# EAGLE board working (EAGLE 9.6.2), part 12 of 28 (continued)
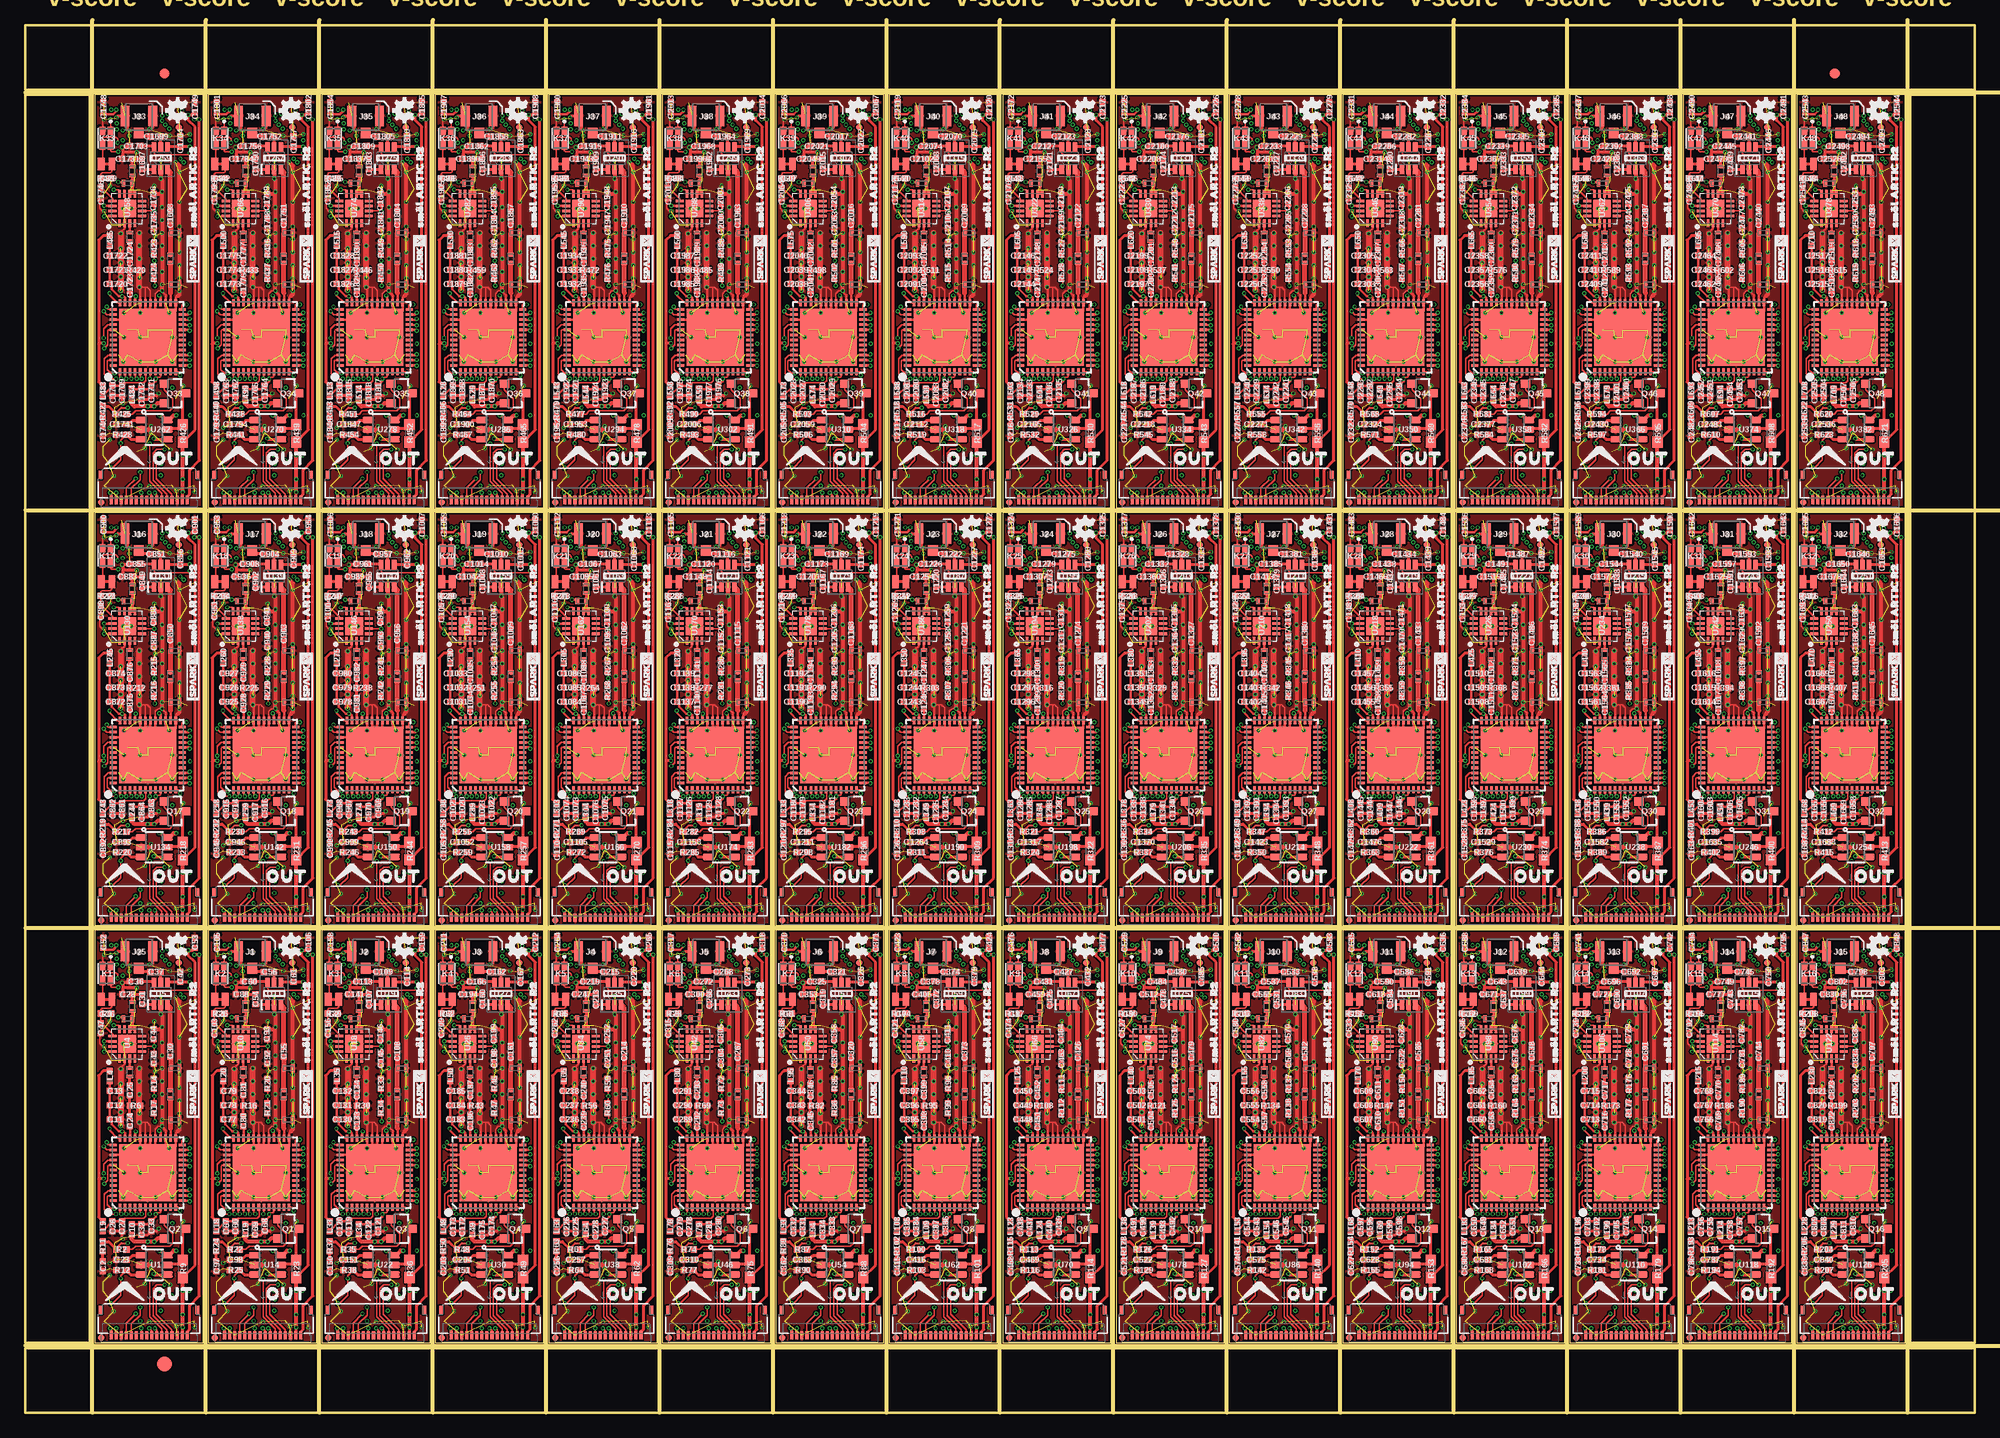
[diagram p0: board, top side]
## Tracks (layer width: path | path; a pad name or v marks a point on that pad's centre or on a via) (continued)
  Route15 0.152: v136.64,12.58 135.88,12.58 135.61,12.31 134.44,12.31 134.15,12.6 134.15,18.33 133.9,18.58 v133.9,19.56 133.9,19.61 134.65,20.36 134.65,41.6 135.55,42.5 135.55,45.32 136.13,45.91 136.72,45.91 v136.97,45.66
  Bottom 0.152: IN11.5 136.97,46.66 v136.97,45.66
COPI12  (via drill 0.2)
  Top 0.152: U97.4 144.95,20.2 144.95,19.68 v145.07,19.56 | OUT12.5 148.05,8.16 146.69,9.52 146.69,12.21 147.06,12.58 v147.82,12.58
  Route15 0.152: v147.82,12.58 147.06,12.58 146.78,12.31 145.62,12.31 145.32,12.6 145.32,18.33 145.07,18.58 v145.07,19.56 145.07,19.61 145.82,20.36 145.82,41.6 146.72,42.5 146.72,45.32 147.31,45.91 147.9,45.91 v148.15,45.66
  Bottom 0.152: IN12.5 148.15,46.66 v148.15,45.66
COPI13  (via drill 0.2)
  Top 0.152: U105.4 156.13,20.2 156.13,19.68 v156.25,19.56 | OUT13.5 159.23,8.16 157.86,9.52 157.86,12.21 158.23,12.58 v159,12.58
  Route15 0.152: v159,12.58 158.23,12.58 157.96,12.31 156.79,12.31 156.5,12.6 156.5,18.33 156.25,18.58 v156.25,19.56 156.25,19.61 157,20.36 157,41.6 157.9,42.5 157.9,45.32 158.49,45.91 159.07,45.91 v159.33,45.66
  Bottom 0.152: IN13.5 159.33,46.66 v159.33,45.66
COPI14  (via drill 0.2)
  Top 0.152: U113.4 167.3,20.2 167.3,19.68 v167.42,19.56 | OUT14.5 170.41,8.16 169.04,9.52 169.04,12.21 169.41,12.58 v170.17,12.58
  Route15 0.152: v170.17,12.58 169.41,12.58 169.14,12.31 167.97,12.31 167.68,12.6 167.68,18.33 167.42,18.58 v167.42,19.56 167.42,19.61 168.18,20.36 168.18,41.6 169.07,42.5 169.07,45.32 169.66,45.91 170.25,45.91 v170.5,45.66
  Bottom 0.152: IN14.5 170.5,46.66 v170.5,45.66
COPI15  (via drill 0.2)
  Top 0.152: U121.4 178.48,20.2 178.48,19.68 v178.6,19.56 | OUT15.5 181.58,8.16 180.21,9.52 180.21,12.21 180.59,12.58 v181.35,12.58
  Route15 0.152: v181.35,12.58 180.59,12.58 180.31,12.31 179.15,12.31 178.85,12.6 178.85,18.33 178.6,18.58 v178.6,19.56 178.6,19.61 179.35,20.36 179.35,41.6 180.25,42.5 180.25,45.32 180.84,45.91 181.42,45.91 v181.68,45.66
  Bottom 0.152: IN15.5 181.68,46.66 v181.68,45.66
COPI16  (via drill 0.2)
  Top 0.152: U129.4 10.84,61.34 10.84,60.83 v10.96,60.71 | OUT16.5 13.94,49.3 12.57,50.67 12.57,53.36 12.95,53.73 v13.71,53.73
  Route15 0.152: v13.71,53.73 12.95,53.73 12.67,53.46 11.5,53.46 11.21,53.75 11.21,59.48 10.96,59.73 v10.96,60.71 10.96,60.76 11.71,61.51 11.71,82.75 12.61,83.65 12.61,86.47 13.2,87.06 13.78,87.06 v14.04,86.81
  Bottom 0.152: IN16.5 14.04,87.81 v14.04,86.81
COPI17  (via drill 0.2)
  Top 0.152: U137.4 22.02,61.34 22.02,60.83 v22.14,60.71 | OUT17.5 25.12,49.3 23.75,50.67 23.75,53.36 24.12,53.73 v24.88,53.73
  Route15 0.152: v24.88,53.73 24.12,53.73 23.85,53.46 22.68,53.46 22.39,53.75 22.39,59.48 22.14,59.73 v22.14,60.71 22.14,60.76 22.89,61.51 22.89,82.75 23.79,83.65 23.79,86.47 24.37,87.06 24.96,87.06 v25.21,86.81
  Bottom 0.152: IN17.5 25.21,87.81 v25.21,86.81
COPI18  (via drill 0.2)
  Top 0.152: U145.4 33.19,61.34 33.19,60.83 v33.31,60.71 | OUT18.5 36.29,49.3 34.92,50.67 34.92,53.36 35.3,53.73 v36.06,53.73
  Route15 0.152: v36.06,53.73 35.3,53.73 35.02,53.46 33.86,53.46 33.56,53.75 33.56,59.48 33.31,59.73 v33.31,60.71 33.31,60.76 34.06,61.51 34.06,82.75 34.96,83.65 34.96,86.47 35.55,87.06 36.13,87.06 v36.39,86.81
  Bottom 0.152: IN18.5 36.39,87.81 v36.39,86.81
COPI19  (via drill 0.2)
  Top 0.152: U153.4 44.37,61.34 44.37,60.83 v44.49,60.71 | OUT19.5 47.47,49.3 46.1,50.67 46.1,53.36 46.47,53.73 v47.24,53.73
  Route15 0.152: v47.24,53.73 46.47,53.73 46.2,53.46 45.03,53.46 44.74,53.75 44.74,59.48 44.49,59.73 v44.49,60.71 44.49,60.76 45.24,61.51 45.24,82.75 46.14,83.65 46.14,86.47 46.72,87.06 47.31,87.06 v47.56,86.81
  Bottom 0.152: IN19.5 47.56,87.81 v47.56,86.81
COPI20  (via drill 0.2)
  Top 0.152: U161.4 55.54,61.34 55.54,60.83 v55.66,60.71 | OUT20.5 58.65,49.3 57.28,50.67 57.28,53.36 57.65,53.73 v58.41,53.73
  Route15 0.152: v58.41,53.73 57.65,53.73 57.38,53.46 56.21,53.46 55.92,53.75 55.92,59.48 55.66,59.73 v55.66,60.71 55.66,60.76 56.41,61.51 56.41,82.75 57.31,83.65 57.31,86.47 57.9,87.06 58.49,87.06 v58.74,86.81
  Bottom 0.152: IN20.5 58.74,87.81 v58.74,86.81
COPI21  (via drill 0.2)
  Top 0.152: U169.4 66.72,61.34 66.72,60.83 v66.84,60.71 | OUT21.5 69.82,49.3 68.45,50.67 68.45,53.36 68.83,53.73 v69.59,53.73
  Route15 0.152: v69.59,53.73 68.83,53.73 68.55,53.46 67.39,53.46 67.09,53.75 67.09,59.48 66.84,59.73 v66.84,60.71 66.84,60.76 67.59,61.51 67.59,82.75 68.49,83.65 68.49,86.47 69.08,87.06 69.66,87.06 v69.92,86.81
  Bottom 0.152: IN21.5 69.92,87.81 v69.92,86.81
COPI22  (via drill 0.2)
  Top 0.152: U177.4 77.9,61.34 77.9,60.83 v78.02,60.71 | OUT22.5 81,49.3 79.63,50.67 79.63,53.36 80,53.73 v80.76,53.73
  Route15 0.152: v80.76,53.73 80,53.73 79.73,53.46 78.56,53.46 78.27,53.75 78.27,59.48 78.02,59.73 v78.02,60.71 78.02,60.76 78.77,61.51 78.77,82.75 79.67,83.65 79.67,86.47 80.25,87.06 80.84,87.06 v81.09,86.81
  Bottom 0.152: IN22.5 81.09,87.81 v81.09,86.81
COPI23  (via drill 0.2)
  Top 0.152: U185.4 89.07,61.34 89.07,60.83 v89.19,60.71 | OUT23.5 92.17,49.3 90.81,50.67 90.81,53.36 91.18,53.73 v91.94,53.73
  Route15 0.152: v91.94,53.73 91.18,53.73 90.9,53.46 89.74,53.46 89.45,53.75 89.45,59.48 89.19,59.73 v89.19,60.71 89.19,60.76 89.94,61.51 89.94,82.75 90.84,83.65 90.84,86.47 91.43,87.06 92.02,87.06 v92.27,86.81
  Bottom 0.152: IN23.5 92.27,87.81 v92.27,86.81
COPI24  (via drill 0.2)
  Top 0.152: U193.4 100.25,61.34 100.25,60.83 v100.37,60.71 | OUT24.5 103.35,49.3 101.98,50.67 101.98,53.36 102.35,53.73 v103.12,53.73
  Route15 0.152: v103.12,53.73 102.35,53.73 102.08,53.46 100.91,53.46 100.62,53.75 100.62,59.48 100.37,59.73 v100.37,60.71 100.37,60.76 101.12,61.51 101.12,82.75 102.02,83.65 102.02,86.47 102.61,87.06 103.19,87.06 v103.45,86.81
  Bottom 0.152: IN24.5 103.45,87.81 v103.45,86.81
COPI25  (via drill 0.2)
  Top 0.152: U201.4 111.42,61.34 111.42,60.83 v111.54,60.71 | OUT25.5 114.53,49.3 113.16,50.67 113.16,53.36 113.53,53.73 v114.29,53.73
  Route15 0.152: v114.29,53.73 113.53,53.73 113.26,53.46 112.09,53.46 111.8,53.75 111.8,59.48 111.54,59.73 v111.54,60.71 111.54,60.76 112.3,61.51 112.3,82.75 113.19,83.65 113.19,86.47 113.78,87.06 114.37,87.06 v114.62,86.81
  Bottom 0.152: IN25.5 114.62,87.81 v114.62,86.81
COPI26  (via drill 0.2)
  Top 0.152: U209.4 122.6,61.34 122.6,60.83 v122.72,60.71 | OUT26.5 125.7,49.3 124.33,50.67 124.33,53.36 124.71,53.73 v125.47,53.73
  Route15 0.152: v125.47,53.73 124.71,53.73 124.43,53.46 123.27,53.46 122.97,53.75 122.97,59.48 122.72,59.73 v122.72,60.71 122.72,60.76 123.47,61.51 123.47,82.75 124.37,83.65 124.37,86.47 124.96,87.06 125.54,87.06 v125.8,86.81
  Bottom 0.152: IN26.5 125.8,87.81 v125.8,86.81
COPI27  (via drill 0.2)
  Top 0.152: U217.4 133.78,61.34 133.78,60.83 v133.9,60.71 | OUT27.5 136.88,49.3 135.51,50.67 135.51,53.36 135.88,53.73 v136.64,53.73
  Route15 0.152: v136.64,53.73 135.88,53.73 135.61,53.46 134.44,53.46 134.15,53.75 134.15,59.48 133.9,59.73 v133.9,60.71 133.9,60.76 134.65,61.51 134.65,82.75 135.55,83.65 135.55,86.47 136.13,87.06 136.72,87.06 v136.97,86.81
  Bottom 0.152: IN27.5 136.97,87.81 v136.97,86.81
COPI28  (via drill 0.2)
  Top 0.152: U225.4 144.95,61.34 144.95,60.83 v145.07,60.71 | OUT28.5 148.05,49.3 146.69,50.67 146.69,53.36 147.06,53.73 v147.82,53.73
  Route15 0.152: v147.82,53.73 147.06,53.73 146.78,53.46 145.62,53.46 145.32,53.75 145.32,59.48 145.07,59.73 v145.07,60.71 145.07,60.76 145.82,61.51 145.82,82.75 146.72,83.65 146.72,86.47 147.31,87.06 147.9,87.06 v148.15,86.81
  Bottom 0.152: IN28.5 148.15,87.81 v148.15,86.81
COPI29  (via drill 0.2)
  Top 0.152: U233.4 156.13,61.34 156.13,60.83 v156.25,60.71 | OUT29.5 159.23,49.3 157.86,50.67 157.86,53.36 158.23,53.73 v159,53.73
  Route15 0.152: v159,53.73 158.23,53.73 157.96,53.46 156.79,53.46 156.5,53.75 156.5,59.48 156.25,59.73 v156.25,60.71 156.25,60.76 157,61.51 157,82.75 157.9,83.65 157.9,86.47 158.49,87.06 159.07,87.06 v159.33,86.81
  Bottom 0.152: IN29.5 159.33,87.81 v159.33,86.81
COPI30  (via drill 0.2)
  Top 0.152: U241.4 167.3,61.34 167.3,60.83 v167.42,60.71 | OUT30.5 170.41,49.3 169.04,50.67 169.04,53.36 169.41,53.73 v170.17,53.73
  Route15 0.152: v170.17,53.73 169.41,53.73 169.14,53.46 167.97,53.46 167.68,53.75 167.68,59.48 167.42,59.73 v167.42,60.71 167.42,60.76 168.18,61.51 168.18,82.75 169.07,83.65 169.07,86.47 169.66,87.06 170.25,87.06 v170.5,86.81
  Bottom 0.152: IN30.5 170.5,87.81 v170.5,86.81
COPI31  (via drill 0.2)
  Top 0.152: U249.4 178.48,61.34 178.48,60.83 v178.6,60.71 | OUT31.5 181.58,49.3 180.21,50.67 180.21,53.36 180.59,53.73 v181.35,53.73
  Route15 0.152: v181.35,53.73 180.59,53.73 180.31,53.46 179.15,53.46 178.85,53.75 178.85,59.48 178.6,59.73 v178.6,60.71 178.6,60.76 179.35,61.51 179.35,82.75 180.25,83.65 180.25,86.47 180.84,87.06 181.42,87.06 v181.68,86.81
  Bottom 0.152: IN31.5 181.68,87.81 v181.68,86.81
COPI32  (via drill 0.2)
  Top 0.152: U257.4 10.84,102.49 10.84,101.97 v10.96,101.85 | OUT32.5 13.94,90.45 12.57,91.82 12.57,94.51 12.95,94.88 v13.71,94.88
  Route15 0.152: v13.71,94.88 12.95,94.88 12.67,94.6 11.5,94.6 11.21,94.9 11.21,100.62 10.96,100.88 v10.96,101.85 10.96,101.91 11.71,102.66 11.71,123.9 12.61,124.8 12.61,127.62 13.2,128.21 13.78,128.21 v14.04,127.95
  Bottom 0.152: IN32.5 14.04,128.95 v14.04,127.95
COPI33  (via drill 0.2)
  Top 0.152: U265.4 22.02,102.49 22.02,101.97 v22.14,101.85 | OUT33.5 25.12,90.45 23.75,91.82 23.75,94.51 24.12,94.88 v24.88,94.88
  Route15 0.152: v24.88,94.88 24.12,94.88 23.85,94.6 22.68,94.6 22.39,94.9 22.39,100.62 22.14,100.88 v22.14,101.85 22.14,101.91 22.89,102.66 22.89,123.9 23.79,124.8 23.79,127.62 24.37,128.21 24.96,128.21 v25.21,127.95
  Bottom 0.152: IN33.5 25.21,128.95 v25.21,127.95
COPI34  (via drill 0.2)
  Top 0.152: U273.4 33.19,102.49 33.19,101.97 v33.31,101.85 | OUT34.5 36.29,90.45 34.92,91.82 34.92,94.51 35.3,94.88 v36.06,94.88
  Route15 0.152: v36.06,94.88 35.3,94.88 35.02,94.6 33.86,94.6 33.56,94.9 33.56,100.62 33.31,100.88 v33.31,101.85 33.31,101.91 34.06,102.66 34.06,123.9 34.96,124.8 34.96,127.62 35.55,128.21 36.13,128.21 v36.39,127.95
  Bottom 0.152: IN34.5 36.39,128.95 v36.39,127.95
COPI35  (via drill 0.2)
  Top 0.152: U281.4 44.37,102.49 44.37,101.97 v44.49,101.85 | OUT35.5 47.47,90.45 46.1,91.82 46.1,94.51 46.47,94.88 v47.24,94.88
  Route15 0.152: v47.24,94.88 46.47,94.88 46.2,94.6 45.03,94.6 44.74,94.9 44.74,100.62 44.49,100.88 v44.49,101.85 44.49,101.91 45.24,102.66 45.24,123.9 46.14,124.8 46.14,127.62 46.72,128.21 47.31,128.21 v47.56,127.95
  Bottom 0.152: IN35.5 47.56,128.95 v47.56,127.95
COPI36  (via drill 0.2)
  Top 0.152: U289.4 55.54,102.49 55.54,101.97 v55.66,101.85 | OUT36.5 58.65,90.45 57.28,91.82 57.28,94.51 57.65,94.88 v58.41,94.88
  Route15 0.152: v58.41,94.88 57.65,94.88 57.38,94.6 56.21,94.6 55.92,94.9 55.92,100.62 55.66,100.88 v55.66,101.85 55.66,101.91 56.41,102.66 56.41,123.9 57.31,124.8 57.31,127.62 57.9,128.21 58.49,128.21 v58.74,127.95
  Bottom 0.152: IN36.5 58.74,128.95 v58.74,127.95
COPI37  (via drill 0.2)
  Top 0.152: U297.4 66.72,102.49 66.72,101.97 v66.84,101.85 | OUT37.5 69.82,90.45 68.45,91.82 68.45,94.51 68.83,94.88 v69.59,94.88
  Route15 0.152: v69.59,94.88 68.83,94.88 68.55,94.6 67.39,94.6 67.09,94.9 67.09,100.62 66.84,100.88 v66.84,101.85 66.84,101.91 67.59,102.66 67.59,123.9 68.49,124.8 68.49,127.62 69.08,128.21 69.66,128.21 v69.92,127.95
  Bottom 0.152: IN37.5 69.92,128.95 v69.92,127.95
COPI38  (via drill 0.2)
  Top 0.152: U305.4 77.9,102.49 77.9,101.97 v78.02,101.85 | OUT38.5 81,90.45 79.63,91.82 79.63,94.51 80,94.88 v80.76,94.88
  Route15 0.152: v80.76,94.88 80,94.88 79.73,94.6 78.56,94.6 78.27,94.9 78.27,100.62 78.02,100.88 v78.02,101.85 78.02,101.91 78.77,102.66 78.77,123.9 79.67,124.8 79.67,127.62 80.25,128.21 80.84,128.21 v81.09,127.95
  Bottom 0.152: IN38.5 81.09,128.95 v81.09,127.95
COPI39  (via drill 0.2)
  Top 0.152: U313.4 89.07,102.49 89.07,101.97 v89.19,101.85 | OUT39.5 92.17,90.45 90.81,91.82 90.81,94.51 91.18,94.88 v91.94,94.88
  Route15 0.152: v91.94,94.88 91.18,94.88 90.9,94.6 89.74,94.6 89.45,94.9 89.45,100.62 89.19,100.88 v89.19,101.85 89.19,101.91 89.94,102.66 89.94,123.9 90.84,124.8 90.84,127.62 91.43,128.21 92.02,128.21 v92.27,127.95
  Bottom 0.152: IN39.5 92.27,128.95 v92.27,127.95
COPI40  (via drill 0.2)
  Top 0.152: U321.4 100.25,102.49 100.25,101.97 v100.37,101.85 | OUT40.5 103.35,90.45 101.98,91.82 101.98,94.51 102.35,94.88 v103.12,94.88
  Route15 0.152: v103.12,94.88 102.35,94.88 102.08,94.6 100.91,94.6 100.62,94.9 100.62,100.62 100.37,100.88 v100.37,101.85 100.37,101.91 101.12,102.66 101.12,123.9 102.02,124.8 102.02,127.62 102.61,128.21 103.19,128.21 v103.45,127.95
  Bottom 0.152: IN40.5 103.45,128.95 v103.45,127.95
COPI41  (via drill 0.2)
  Top 0.152: U329.4 111.42,102.49 111.42,101.97 v111.54,101.85 | OUT41.5 114.53,90.45 113.16,91.82 113.16,94.51 113.53,94.88 v114.29,94.88
  Route15 0.152: v114.29,94.88 113.53,94.88 113.26,94.6 112.09,94.6 111.8,94.9 111.8,100.62 111.54,100.88 v111.54,101.85 111.54,101.91 112.3,102.66 112.3,123.9 113.19,124.8 113.19,127.62 113.78,128.21 114.37,128.21 v114.62,127.95
  Bottom 0.152: IN41.5 114.62,128.95 v114.62,127.95
COPI42  (via drill 0.2)
  Top 0.152: U337.4 122.6,102.49 122.6,101.97 v122.72,101.85 | OUT42.5 125.7,90.45 124.33,91.82 124.33,94.51 124.71,94.88 v125.47,94.88
  Route15 0.152: v125.47,94.88 124.71,94.88 124.43,94.6 123.27,94.6 122.97,94.9 122.97,100.62 122.72,100.88 v122.72,101.85 122.72,101.91 123.47,102.66 123.47,123.9 124.37,124.8 124.37,127.62 124.96,128.21 125.54,128.21 v125.8,127.95
  Bottom 0.152: IN42.5 125.8,128.95 v125.8,127.95
COPI43  (via drill 0.2)
  Top 0.152: U345.4 133.78,102.49 133.78,101.97 v133.9,101.85 | OUT43.5 136.88,90.45 135.51,91.82 135.51,94.51 135.88,94.88 v136.64,94.88
  Route15 0.152: v136.64,94.88 135.88,94.88 135.61,94.6 134.44,94.6 134.15,94.9 134.15,100.62 133.9,100.88 v133.9,101.85 133.9,101.91 134.65,102.66 134.65,123.9 135.55,124.8 135.55,127.62 136.13,128.21 136.72,128.21 v136.97,127.95
  Bottom 0.152: IN43.5 136.97,128.95 v136.97,127.95
COPI44  (via drill 0.2)
  Top 0.152: U353.4 144.95,102.49 144.95,101.97 v145.07,101.85 | OUT44.5 148.05,90.45 146.69,91.82 146.69,94.51 147.06,94.88 v147.82,94.88
  Route15 0.152: v147.82,94.88 147.06,94.88 146.78,94.6 145.62,94.6 145.32,94.9 145.32,100.62 145.07,100.88 v145.07,101.85 145.07,101.91 145.82,102.66 145.82,123.9 146.72,124.8 146.72,127.62 147.31,128.21 147.9,128.21 v148.15,127.95
  Bottom 0.152: IN44.5 148.15,128.95 v148.15,127.95
COPI45  (via drill 0.2)
  Top 0.152: U361.4 156.13,102.49 156.13,101.97 v156.25,101.85 | OUT45.5 159.23,90.45 157.86,91.82 157.86,94.51 158.23,94.88 v159,94.88
  Route15 0.152: v159,94.88 158.23,94.88 157.96,94.6 156.79,94.6 156.5,94.9 156.5,100.62 156.25,100.88 v156.25,101.85 156.25,101.91 157,102.66 157,123.9 157.9,124.8 157.9,127.62 158.49,128.21 159.07,128.21 v159.33,127.95
  Bottom 0.152: IN45.5 159.33,128.95 v159.33,127.95
COPI46  (via drill 0.2)
  Top 0.152: U369.4 167.3,102.49 167.3,101.97 v167.42,101.85 | OUT46.5 170.41,90.45 169.04,91.82 169.04,94.51 169.41,94.88 v170.17,94.88
  Route15 0.152: v170.17,94.88 169.41,94.88 169.14,94.6 167.97,94.6 167.68,94.9 167.68,100.62 167.42,100.88 v167.42,101.85 167.42,101.91 168.18,102.66 168.18,123.9 169.07,124.8 169.07,127.62 169.66,128.21 170.25,128.21 v170.5,127.95
  Bottom 0.152: IN46.5 170.5,128.95 v170.5,127.95
COPI47  (via drill 0.2)
  Top 0.152: U377.4 178.48,102.49 178.48,101.97 v178.6,101.85 | OUT47.5 181.58,90.45 180.21,91.82 180.21,94.51 180.59,94.88 v181.35,94.88
  Route15 0.152: v181.35,94.88 180.59,94.88 180.31,94.6 179.15,94.6 178.85,94.9 178.85,100.62 178.6,100.88 v178.6,101.85 178.6,101.91 179.35,102.66 179.35,123.9 180.25,124.8 180.25,127.62 180.84,128.21 181.42,128.21 v181.68,127.95
  Bottom 0.152: IN47.5 181.68,128.95 v181.68,127.95
CS0  (via drill 0.2)
  Top 0.152: U3.2 9.81,19.69 v9.94,19.56
  Route15 0.127: 10.59,42.01 10.59,41.68 11.1,41.18 11.1,36.32 10.72,35.94 9.59,35.94 9.27,35.62 9.27,34.75 8.7,34.18 8.7,29.36 9.12,28.93 9.29,28.93 10.09,28.12 10.09,20.32 9.94,20.17 v9.94,19.56 | 10.59,42.01 11.1,42.51 11.1,44.67 12.9,46.47 14.54,46.47 14.87,46.14 14.87,45.81 14.02,44.96 v13.46,44.96 | v9.58,43.03 9.58,43.02 10.59,42.01
  Bottom 0.152: IN.7 12.94,45.43 13.41,44.96 v13.46,44.96 | v9.58,43.03 9.53,43.03 9.37,43.19 8.27,43.19 CS0.1
CS1  (via drill 0.2)
  Top 0.152: OUT.7 12.94,8.14 v12.76,8.32
  Route15 0.152: v13.79,44.57 14.36,44.57 15.75,43.18 15.75,41.69 16.33,41.1 16.33,26.75 15.68,26.1 15.68,24.18 16,23.87 16.65,23.87 16.89,23.62 16.89,11.68 13.53,8.32 v12.76,8.32
  Bottom 0.152: IN.8 12.44,45.43 13.3,44.57 13.62,44.57 13.63,44.57 v13.79,44.57
CS2  (via drill 0.2)
  Top 0.152: OUT.8 12.44,8.07 v12.19,8.32
  Route15 0.152: v14.16,44.18 15.47,42.87 15.47,41.57 16.05,40.99 16.05,27.61 15.3,26.86 15.3,24.13 15.85,23.59 16.46,23.59 16.61,23.43 16.61,11.8 13.52,8.71 12.58,8.71 v12.19,8.32
  Bottom 0.152: IN.9 11.94,45.53 13.3,44.18 v14.16,44.18
CS3  (via drill 0.2)
  Top 0.152: U9.2 20.99,19.69 v21.12,19.56
  Route15 0.127: 21.77,42.01 21.77,41.68 22.27,41.18 22.27,36.32 21.89,35.94 20.76,35.94 20.45,35.62 20.45,34.75 19.88,34.18 19.88,29.36 20.3,28.93 20.46,28.93 21.27,28.12 21.27,20.32 21.12,20.17 v21.12,19.56 | 21.77,42.01 22.27,42.51 22.27,44.67 24.08,46.47 25.71,46.47 26.05,46.14 26.05,45.81 25.2,44.96 v24.64,44.96 | v20.76,43.03 20.76,43.02 21.77,42.01
  Bottom 0.152: IN1.7 24.12,45.43 24.59,44.96 v24.64,44.96 | v20.76,43.03 20.71,43.03 20.55,43.19 19.44,43.19 CS1.1
CS4  (via drill 0.2)
  Top 0.152: OUT1.7 24.12,8.14 v23.94,8.32
  Route15 0.152: v24.96,44.57 25.53,44.57 26.92,43.18 26.92,41.69 27.51,41.1 27.51,26.75 26.86,26.1 26.86,24.18 27.17,23.87 27.82,23.87 28.07,23.62 28.07,11.68 24.7,8.32 v23.94,8.32
  Bottom 0.152: IN1.8 23.62,45.43 24.48,44.57 24.8,44.57 v24.96,44.57
CS5  (via drill 0.2)
  Top 0.152: OUT1.8 23.62,8.07 v23.37,8.32
  Route15 0.152: v25.34,44.18 26.64,42.87 26.64,41.57 27.23,40.99 27.23,27.61 26.48,26.86 26.48,24.13 27.02,23.59 27.63,23.59 27.79,23.43 27.79,11.8 24.7,8.71 23.76,8.71 v23.37,8.32
  Bottom 0.152: IN1.9 23.12,45.53 24.47,44.18 v25.34,44.18
CS6  (via drill 0.2)
  Top 0.152: U17.2 32.17,19.69 v32.3,19.56
  Route15 0.127: 32.95,42.01 32.95,41.68 33.45,41.18 33.45,36.32 33.07,35.94 31.94,35.94 31.62,35.62 31.62,34.75 31.05,34.18 31.05,29.36 31.48,28.93 31.64,28.93 32.45,28.12 32.45,20.32 32.3,20.17 v32.3,19.56 | 32.95,42.01 33.45,42.51 33.45,44.67 35.25,46.47 36.89,46.47 37.22,46.14 37.22,45.81 36.37,44.96 v35.81,44.96 | v31.94,43.03 31.94,43.02 32.95,42.01
  Bottom 0.152: IN2.7 35.29,45.43 35.76,44.96 v35.81,44.96 | v31.94,43.03 31.89,43.03 31.72,43.19 30.62,43.19 CS2.1
CS7  (via drill 0.2)
  Top 0.152: OUT2.7 35.29,8.14 v35.12,8.32
  Route15 0.152: v36.14,44.57 36.71,44.57 38.1,43.18 38.1,41.69 38.68,41.1 38.68,26.75 38.04,26.1 38.04,24.18 38.35,23.87 39,23.87 39.24,23.62 39.24,11.68 35.88,8.32 v35.12,8.32
  Bottom 0.152: IN2.8 34.79,45.43 35.65,44.57 35.98,44.57 v36.14,44.57
CS8  (via drill 0.2)
  Top 0.152: OUT2.8 34.79,8.07 v34.54,8.32
  Route15 0.152: v36.52,44.18 37.82,42.87 37.82,41.57 38.4,40.99 38.4,27.61 37.66,26.86 37.66,24.13 38.2,23.59 38.81,23.59 38.96,23.43 38.96,11.8 35.87,8.71 34.94,8.71 v34.54,8.32
  Bottom 0.152: IN2.9 34.29,45.53 35.65,44.18 v36.52,44.18
CS9  (via drill 0.2)
  Top 0.152: U25.2 43.34,19.69 v43.47,19.56
  Route15 0.127: 44.12,42.01 44.12,41.68 44.63,41.18 44.63,36.32 44.24,35.94 43.12,35.94 42.8,35.62 42.8,34.75 42.23,34.18 42.23,29.36 42.65,28.93 42.82,28.93 43.62,28.12 43.62,20.32 43.47,20.17 v43.47,19.56 | 44.12,42.01 44.63,42.51 44.63,44.67 46.43,46.47 48.06,46.47 48.4,46.14 48.4,45.81 47.55,44.96 v46.99,44.96 | v43.11,43.03 43.11,43.02 44.12,42.01
  Bottom 0.152: IN3.7 46.47,45.43 46.94,44.96 v46.99,44.96 | v43.11,43.03 43.06,43.03 42.9,43.19 41.79,43.19 CS3.1
CS10  (via drill 0.2)
  Top 0.152: OUT3.7 46.47,8.14 v46.29,8.32
  Route15 0.152: v47.31,44.57 47.88,44.57 49.28,43.18 49.28,41.69 49.86,41.1 49.86,26.75 49.21,26.1 49.21,24.18 49.52,23.87 50.18,23.87 50.42,23.62 50.42,11.68 47.05,8.32 v46.29,8.32
  Bottom 0.152: IN3.8 45.97,45.43 46.83,44.57 47.15,44.57 v47.31,44.57
CS11  (via drill 0.2)
  Top 0.152: OUT3.8 45.97,8.07 v45.72,8.32
  Route15 0.152: v47.69,44.18 49,42.87 49,41.57 49.58,40.99 49.58,27.61 48.83,26.86 48.83,24.13 49.38,23.59 49.99,23.59 50.14,23.43 50.14,11.8 47.05,8.71 46.11,8.71 v45.72,8.32
  Bottom 0.152: IN3.9 45.47,45.53 46.82,44.18 v47.69,44.18
CS12  (via drill 0.2)
  Top 0.152: U33.2 54.52,19.69 v54.65,19.56
  Route15 0.127: 55.3,42.01 55.3,41.68 55.8,41.18 55.8,36.32 55.42,35.94 54.29,35.94 53.97,35.62 53.97,34.75 53.4,34.18 53.4,29.36 53.83,28.93 53.99,28.93 54.8,28.12 54.8,20.32 54.65,20.17 v54.65,19.56 | 55.3,42.01 55.8,42.51 55.8,44.67 57.61,46.47 59.24,46.47 59.57,46.14 59.57,45.81 58.72,44.96 v58.17,44.96 | v54.29,43.03 54.29,43.02 55.3,42.01
  Bottom 0.152: IN4.7 57.65,45.43 58.12,44.96 v58.17,44.96 | v54.29,43.03 54.24,43.03 54.07,43.19 52.97,43.19 CS4.1
CS13  (via drill 0.2)
  Top 0.152: OUT4.7 57.65,8.14 v57.47,8.32
  Route15 0.152: v58.49,44.57 59.06,44.57 60.45,43.18 60.45,41.69 61.03,41.1 61.03,26.75 60.39,26.1 60.39,24.18 60.7,23.87 61.35,23.87 61.59,23.62 61.59,11.68 58.23,8.32 v57.47,8.32
  Bottom 0.152: IN4.8 57.15,45.43 58,44.57 58.33,44.57 v58.49,44.57
CS14  (via drill 0.2)
  Top 0.152: OUT4.8 57.15,8.07 v56.9,8.32
  Route15 0.152: v58.87,44.18 60.17,42.87 60.17,41.57 60.75,40.99 60.75,27.61 60.01,26.86 60.01,24.13 60.55,23.59 61.16,23.59 61.32,23.43 61.32,11.8 58.23,8.71 57.29,8.71 v56.9,8.32
  Bottom 0.152: IN4.9 56.65,45.53 58,44.18 v58.87,44.18
CS15  (via drill 0.2)
  Top 0.152: U41.2 65.7,19.69 v65.82,19.56
  Route15 0.127: 66.47,42.01 66.47,41.68 66.98,41.18 66.98,36.32 66.6,35.94 65.47,35.94 65.15,35.62 65.15,34.75 64.58,34.18 64.58,29.36 65,28.93 65.17,28.93 65.97,28.12 65.97,20.32 65.82,20.17 v65.82,19.56 | 66.47,42.01 66.98,42.51 66.98,44.67 68.78,46.47 70.42,46.47 70.75,46.14 70.75,45.81 69.9,44.96 v69.34,44.96 | v65.47,43.03 65.47,43.02 66.47,42.01
  Bottom 0.152: IN5.7 68.82,45.43 69.29,44.96 v69.34,44.96 | v65.47,43.03 65.41,43.03 65.25,43.19 64.15,43.19 CS5.1
CS16  (via drill 0.2)
  Top 0.152: OUT5.7 68.82,8.14 v68.64,8.32
  Route15 0.152: v69.67,44.57 70.24,44.57 71.63,43.18 71.63,41.69 72.21,41.1 72.21,26.75 71.56,26.1 71.56,24.18 71.88,23.87 72.53,23.87 72.77,23.62 72.77,11.68 69.41,8.32 v68.64,8.32
  Bottom 0.152: IN5.8 68.32,45.43 69.18,44.57 69.5,44.57 69.51,44.57 v69.67,44.57
CS17  (via drill 0.2)
  Top 0.152: OUT5.8 68.32,8.07 v68.07,8.32
  Route15 0.152: v70.04,44.18 71.35,42.87 71.35,41.57 71.93,40.99 71.93,27.61 71.18,26.86 71.18,24.13 71.73,23.59 72.34,23.59 72.49,23.43 72.49,11.8 69.4,8.71 68.46,8.71 v68.07,8.32
  Bottom 0.152: IN5.9 67.82,45.53 69.18,44.18 v70.04,44.18
CS18  (via drill 0.2)
  Top 0.152: U49.2 76.87,19.69 v77,19.56
  Route15 0.127: 77.65,42.01 77.65,41.68 78.15,41.18 78.15,36.32 77.77,35.94 76.65,35.94 76.33,35.62 76.33,34.75 75.76,34.18 75.76,29.36 76.18,28.93 76.34,28.93 77.15,28.12 77.15,20.32 77,20.17 v77,19.56 | 77.65,42.01 78.15,42.51 78.15,44.67 79.96,46.47 81.59,46.47 81.93,46.14 81.93,45.81 81.08,44.96 v80.52,44.96 | v76.64,43.03 76.64,43.02 77.65,42.01
  Bottom 0.152: IN6.7 80,45.43 80.47,44.96 v80.52,44.96 | v76.64,43.03 76.59,43.03 76.43,43.19 75.32,43.19 CS6.1
CS19  (via drill 0.2)
  Top 0.152: OUT6.7 80,8.14 v79.82,8.32
  Route15 0.152: v80.84,44.57 81.41,44.57 82.8,43.18 82.8,41.69 83.39,41.1 83.39,26.75 82.74,26.1 82.74,24.18 83.05,23.87 83.7,23.87 83.95,23.62 83.95,11.68 80.58,8.32 v79.82,8.32
  Bottom 0.152: IN6.8 79.5,45.43 80.36,44.57 80.68,44.57 v80.84,44.57
CS20  (via drill 0.2)
  Top 0.152: OUT6.8 79.5,8.07 v79.25,8.32
  Route15 0.152: v81.22,44.18 82.53,42.87 82.53,41.57 83.11,40.99 83.11,27.61 82.36,26.86 82.36,24.13 82.9,23.59 83.51,23.59 83.67,23.43 83.67,11.8 80.58,8.71 79.64,8.71 v79.25,8.32
  Bottom 0.152: IN6.9 79,45.53 80.35,44.18 v81.22,44.18
CS21  (via drill 0.2)
  Top 0.152: U57.2 88.05,19.69 v88.18,19.56
  Route15 0.127: 88.83,42.01 88.83,41.68 89.33,41.18 89.33,36.32 88.95,35.94 87.82,35.94 87.5,35.62 87.5,34.75 86.93,34.18 86.93,29.36 87.36,28.93 87.52,28.93 88.33,28.12 88.33,20.32 88.18,20.17 v88.18,19.56 | 88.83,42.01 89.33,42.51 89.33,44.67 91.13,46.47 92.77,46.47 93.1,46.14 93.1,45.81 92.25,44.96 v91.69,44.96 | v87.82,43.03 87.82,43.02 88.83,42.01
  Bottom 0.152: IN7.7 91.17,45.43 91.64,44.96 v91.69,44.96 | v87.82,43.03 87.77,43.03 87.6,43.19 86.5,43.19 CS7.1
CS22  (via drill 0.2)
  Top 0.152: OUT7.7 91.17,8.14 v91,8.32
  Route15 0.152: v92.02,44.57 92.59,44.57 93.98,43.18 93.98,41.69 94.56,41.1 94.56,26.75 93.92,26.1 93.92,24.18 94.23,23.87 94.88,23.87 95.12,23.62 95.12,11.68 91.76,8.32 v91,8.32
  Bottom 0.152: IN7.8 90.67,45.43 91.53,44.57 91.86,44.57 v92.02,44.57
CS23  (via drill 0.2)
  Top 0.152: OUT7.8 90.67,8.07 v90.42,8.32
  Route15 0.152: v92.4,44.18 93.7,42.87 93.7,41.57 94.28,40.99 94.28,27.61 93.54,26.86 93.54,24.13 94.08,23.59 94.69,23.59 94.84,23.43 94.84,11.8 91.75,8.71 90.81,8.71 v90.42,8.32
  Bottom 0.152: IN7.9 90.17,45.53 91.53,44.18 v92.4,44.18
CS24  (via drill 0.2)
  Top 0.152: U65.2 99.22,19.69 v99.35,19.56